# Altium PCB PCB2.PcbDoc (continued)
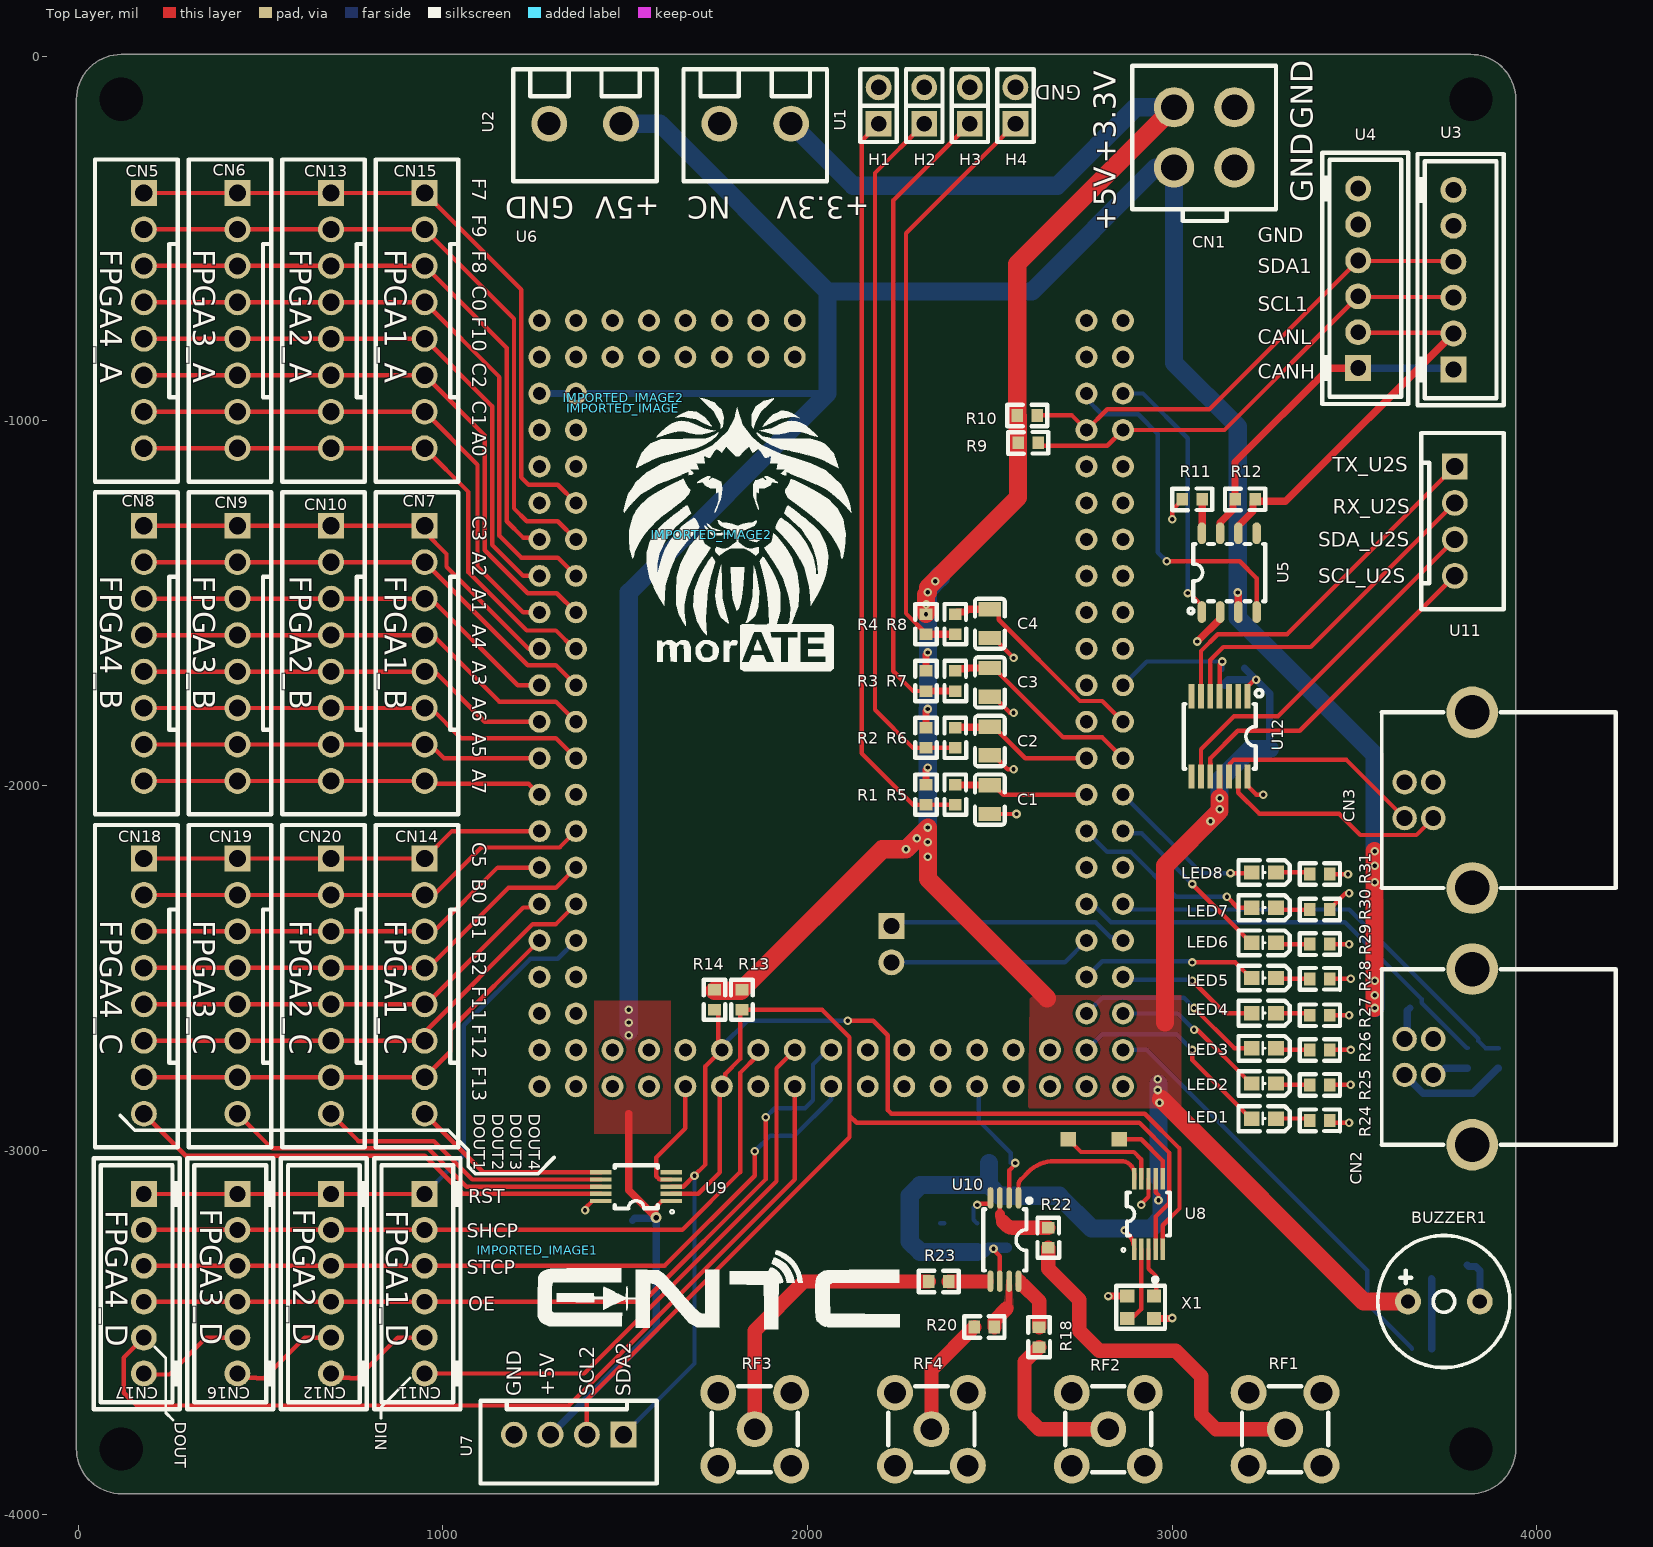
[diagram p0: Top Layer view]
## Footprints (in the part's own frame and the unit in brackets; to place one, negate y for a bottom-side part, rotate by r counter-clockwise, add the part's x,y. Pads: shape width x height; smd on the part's side, far side on the other; paste and mask are expansions set on the pad) (continued)
  body extent -125,-2225 1725,185, height 669
TSSOP-8_L4.4-W3.0-P0.65-LS6.4-BL [mm]
  oval 0.4x1.497 smd: 1(-0.975,-2.9) 2(-0.325,-2.9) 3(0.325,-2.9) 4(0.975,-2.9) 5(0.975,2.9) 6(0.325,2.9) 7(-0.325,2.9) 8(-0.975,2.9)
  silkscreen extent -1.89,-2.87 1.49,2.16, body extent -1.5,-3.2 1.5,3.2, height 1.1
TSSOP-14_L5.0-W4.4-P0.65-LS6.4-BL [mm]
  rect 0.4x1.7 smd: 1(-1.95,-2.8) 2(-1.3,-2.8) 3(-0.65,-2.8) 4(0,-2.8) 5(0.65,-2.8) 6(1.3,-2.8) 7(1.95,-2.8) 8(1.95,2.8) 9(1.3,2.8) 10(0.65,2.8) 11(0,2.8) 12(-0.65,2.8) 13(-1.3,2.8) 14(-1.95,2.8)
  silkscreen extent -3,-3.25 2.5,2.25, body extent -2.5,-3.2 2.5,3.2, height 1
USB-B_TH_BF90 [mm]
  round 1.7 hole 1.1: 1(1.25,2.355) 2(-1.25,2.355) 3(-1.25,0.355) 4(1.25,0.355)
  round 3.6 hole 2.4: 5(-6.116,-2.355) 5(6.116,-2.355)
  silkscreen extent -6.12,-12.34 6.12,3.94, body extent -7.42,-12.69 7.42,3.81, height 10.9

## Part data
BUZZER1: Manufacturer="Jiangsu Huaneng Elec", Supplier Part Number=C96102, Contributor=LCSC, Manufacture Part Number=HNB09A03, spicePre=B, spiceSymbolName=HNB09A03, Supplier=LCSC
C1 C2 C3 C4 C8 C12 C13: Manufacture Part Number=CL10A105KP8NNNC, Manufacturer=SAMSUNG, Supplier Part Number=C26413, nameAlias=Capacitance, spicePre=C, spiceSymbolName=CL10A105KP8NNNC, Supplier=LCSC
C5 C6 C7 C9 C11 C14: BOM_LCSC Assembly=Yes, Manufacture Part Number=CC0603KRX7R9BB104, Manufacturer=YAGEO, Supplier Part Number=C14663, nameAlias=Capacitance, SMT Type=Basic, spicePre=C, spiceSymbolName=CC0603KRX7R9BB104, Supplier=LCSC
C10: Manufacture Part Number=CL21B106KOQNNNE, Manufacturer=SAMSUNG, Supplier Part Number=C95841, nameAlias=Capacitance, spicePre=C, spiceSymbolName=CL21B106KOQNNNE, Supplier=LCSC
C15: Manufacture Part Number=0603B474K100, Manufacturer=WTC, Supplier Part Number=C123513, Contributor=LCSC, nameAlias=Capacitance, spicePre=C, spiceSymbolName=0603B474K100, Supplier=LCSC
CN1: Manufacturer=BOOMELE, Supplier Part Number=C24697, image=//image.lceda.cn/szlcsc/C24697.jpg, Manufacture Part Number=pitch4.2MMsocket2*2P, spicePre=C, spiceSymbolName=pitch4.2MMsocket2*2P, Supplier=LCSC
CN2 CN3: Manufacture Part Number=C46393, Manufacturer="Jing Extension of the Electronic Co.", image=//image.lceda.cn/szlcsc/C46393.jpg, spicePre=C, spiceSymbolName=USB-B-Female-TH_C46393, Supplier=LCSC, Supplier Part Number=C46393
CN5 CN6 CN7 CN8 CN9 CN10 CN13 CN14 CN15 CN18 CN19 CN20: Manufacturer="JST Sales America", Supplier Part Number=C157972, Contributor=LCSC, Manufacture Part Number="B8B-XH-A (LF)(SN)", spicePre=C, spiceSymbolName="B8B-XH-A (LF)(SN)", Supplier=LCSC
CN11 CN12 CN16 CN17 U3 U4: Manufacturer="JST Sales America", Supplier Part Number=C144397, Contributor=LCSC, Manufacture Part Number=B6B-XH-A(LF)(SN), spicePre=U, spiceSymbolName=B6B-XH-A(LF)(SN), Supplier=LCSC
D1: BOM_LCSC Assembly=Yes, Manufacturer=TOSHIBA, Supplier Part Number=C150183, Contributor=LCSC, Manufacture Part Number=CUS08F30,H3F, SMT Type=Extend, spicePre=D, spiceSymbolName=CUS08F30,H3F, Supplier=LCSC
H1 H2 H3 H4 H5: Manufacturer="CJT(Changjiang Connectors)", Supplier Part Number=C225477, Contributor=LCSC, Manufacture Part Number=A2541WV-2P, spicePre=H, spiceSymbolName=A2541WV-2P, Supplier=LCSC
LED1 LED2 LED3 LED4: BOM_LCSC Assembly=Yes, Manufacture Part Number=ORH-G36G, Manufacturer=Orient, Supplier Part Number=C205443, Contributor=LCSC, SMT Type=Extend, spicePre=L, spiceSymbolName=ORH-G36G, Supplier=LCSC
LED5 LED6: BOM_LCSC Assembly=Yes, Manufacture Part Number=19-217/R6C-AL1M2VY/3T, Manufacturer=EVERLIGHT, Supplier Part Number=C72044, image=//image.lceda.cn/szlcsc/C72044.jpg, SMT Type=Extend, spicePre=L, spiceSymbolName=19-217/R6C-AL1M2VY/3T, Supplier=LCSC
LED7 LED8: BOM_LCSC Assembly=Yes, Manufacture Part Number=ORH-R36A(0.6T), Manufacturer=Orient, Supplier Part Number=C205445, Contributor=LCSC, SMT Type=Extend, spicePre=L, spiceSymbolName=ORH-R36A(0.6T), Supplier=LCSC
Q1: BOM_LCSC Assembly=Yes, Manufacturer=ON, Supplier Part Number=C81464, Manufacture Part Number=MMBT3904LT1G, SMT Type=Extend, spicePre=Q, spiceSymbolName=MMBT3904LT1G, Supplier=LCSC
R1 R2 R3 R4 R5 R6 R7 R8 R11 R19 R32: Manufacture Part Number=RC0603FR-0710KL, Manufacturer=YAGEO, Supplier Part Number=C98220, nameAlias="Resistance (Ohms)", spicePre=R, spiceSymbolName=RC0603FR-0710KL, Supplier=LCSC
R9 R10 R13 R14: Manufacture Part Number=RC0603FR-074K7L, Manufacturer=YAGEO, Supplier Part Number=C99782, nameAlias="Resistance (Ohms)", spicePre=R, spiceSymbolName=RC0603FR-074K7L, Supplier=LCSC
R12: BOM_LCSC Assembly=Yes, Manufacture Part Number=0603WAF1000T5E, Manufacturer=UniOhm, Supplier Part Number=C22775, nameAlias="Resistance (Ohms)", SMT Type=Basic, spicePre=R, spiceSymbolName=0603WAF1000T5E, Supplier=LCSC
R15 R24 R25 R26 R27 R28 R29 R30 R31: Manufacture Part Number=RC0603FR-071KL, Manufacturer=YAGEO, Supplier Part Number=C22548, nameAlias="Resistance (Ohms)", spicePre=R, spiceSymbolName=RC0603FR-071KL, Supplier=LCSC
R16 R17: Manufacture Part Number=0603WAJ0220T5E, Manufacturer=UniOhm, Supplier Part Number=C1203, nameAlias="Resistance (Ohms)", spicePre=R, spiceSymbolName=0603WAJ0220T5E, Supplier=LCSC
R18 R20 R22 R23: Manufacture Part Number=RC0603FR-0710RL, Manufacturer=YAGEO, Supplier Part Number=C109318, nameAlias="Resistance (Ohms)", spicePre=R, spiceSymbolName=RC0603FR-0710RL, Supplier=LCSC
RF1 RF2 RF3 RF4: library part BWSMA-KE-Z001, Manufacturer="BAT WIRELESS", Supplier Part Number=C496549, Manufacture Part Number=BWSMA-KE-Z001, Supplier=LCSC
U1 U2: Manufacturer=DIBO, Supplier Part Number=C395849, Contributor=LCSC, Manufacture Part Number=DB126V-5.0-2P, spicePre=U, spiceSymbolName=DB126V-5.0-2P, Supplier=LCSC
U5: BOM_LCSC Assembly=Yes, Manufacturer=MICROCHIP, Supplier Part Number=C7376, image=//image.lceda.cn/szlcsc/C7376.jpg, Manufacture Part Number=MCP2551-I/SN, SMT Type=Extend, spicePre=U, spiceSymbolName=MCP2551-I/SN, Supplier=LCSC
U7 U11: Manufacturer="JST Sales America", Supplier Part Number=C144395, Contributor=LCSC, Manufacture Part Number=B4B-XH-A(LF)(SN), spicePre=U, spiceSymbolName=B4B-XH-A(LF)(SN), Supplier=LCSC
U8: Manufacturer="SILICON LABS", Supplier Part Number=C529366, Contributor=LCSC, Manufacture Part Number=SI5351A-B-GT, spicePre=U, spiceSymbolName=SI5351A-B-GT, Supplier=LCSC
U9: BOM_LCSC Assembly=Yes, Manufacturer="Microchip Tech", Supplier Part Number=C108207, Contributor=LCSC, Manufacture Part Number=MCP4728-E/UN, SMT Type=Extend, spicePre=U, spiceSymbolName=MCP4728-E/UN, Supplier=LCSC
U10: BOM_LCSC Assembly=Yes, Manufacturer="Texas Instruments", Supplier Part Number=C485518, Contributor=LCSC, Manufacture Part Number=CDCLVC1104PWR, SMT Type=Extend, spicePre=U, spiceSymbolName=CDCLVC1104PWR, Supplier=LCSC
U12: BOM_LCSC Assembly=Yes, Manufacturer=MICROCHIP, Supplier Part Number=C130462, Contributor=LCSC, Manufacture Part Number=MCP2221A-I/ST, SMT Type=Extend, spicePre=U, spiceSymbolName=MCP2221A-I/ST, Supplier=LCSC
X1: Manufacture Part Number=Q24FA20H00238, Manufacturer="Seiko Epson", Supplier Part Number=C255960, Contributor=LCSC, nameAlias=Frequency, spicePre=X, spiceSymbolName=Q24FA20H00238, Supplier=LCSC
U6: Contributor=FYP_Squad, spicePre=U, spiceSymbolName="STM32F103ZET Mini Dev Board"

## Free pads (board coordinates)
  round 60 hole 118.11: 2(118.11,-3818.9) 2(118.11,-118.11) 2(3818.9,-3818.9) 2(3818.9,-118.11)
  rect 43x39 smd: 3(2715,-2970) 3(2855,-2970)

## Via types
v1: diameter 23.62, hole 11.81, Top Layer to Bottom Layer, 65 vias
v2: diameter 23.62, hole 11.81, Top Layer to Bottom Layer, tented both sides, 3 vias
v3: diameter 30, hole 15, Top Layer to Bottom Layer, 1 vias

## Nets (pads, with @x,y where several pads share a name; then routed paths per layer and width w, separated by ;. In a path a pad name is that pad's centre, name@x,y a point inside that pad or via, vN(x,y) a via of type N, cw(c..) or ccw(c..) an arc to the next point about the centre after c; other vN are vias at no path point)
1_to_2: CN11.5 CN12.6 | length 308
  Top Layer w12: CN12.6 704.54,-3623.47 744.47,-3623.47 745.99,-3625 765,-3625 876.22,-3513.78 CN11.5
2_to_3: CN12.5 CN16.6 | length 308
  Top Layer w12: CN16.6 447.87,-3623.47 487.8,-3623.47 489.33,-3625 510,-3625 621.22,-3513.78 CN12.5
3_to_4: CN16.5 CN17.6 | length 299.7
  Top Layer w12: CN17.6 182.73,-3615 250,-3615 351.22,-3513.78 CN16.5
+3.3V: BUZZER1.1 C7.2 C8.2 C9.2 C10.2 C11.2 C12.2 C13.1 C14.2 C15.2 CN1.3 R1.2 R2.2 R3.2 R4.2 R9.2 R10.2 R13.2 R14.2 R19.2 R32.1 U1.1 U8.1 U8.7 U10.6 U12.1 U12.11 | length 9590.4
  Top Layer w12: v1(2510,-3270) 2510,-3273.14 2527.2,-3290.34 U10.6 ; v1(2870,-3220) 2877.34,-3227.34 cw(c2833.17,-3271.5) U8.1 ; U8.7 2954.69,-3115.11 2962.5,-3122.92 v1(2962.5,-3137.5) v1@2965,-3140 ; U12.1 3206.77,-1729.17 3223.72,-1712.22 3227.78,-1712.22 v1(3230,-1710)
  Top Layer w15: v1@3130,-2045 U12.11
  Top Layer w20: R1.2 2325,-1955.98 2329.31,-1951.67 v1(2329.31,-1950.69) ; R2.2 2325,-1795.98 2330,-1790.98 v2(2330,-1790) ; R3.2 2325,-1640.98 2330,-1635.98 v2(2330,-1635)
  Top Layer w50: R14.2@1745,-2562.44 1817.44,-2562.44 R13.2 2204.88,-2175 v1(2270,-2175) v1(2300,-2145) v1(2330,-2115) ; v1(2325,-1529.88) v2(2325,-1502.93) 2325,-1475.98 2330,-1470.98 v1(2330,-1470) 2330,-1457.5 2577.44,-1210.06 2577.44,-1067.72 2574.88,-1065.16 2574.88,-1060 2576.16,-1058.72 2576.16,-986.28 R10.2 2574.88,-570.12 CN1.3 ; v1@2330,-2116.67 v1(2330,-2155) v1(2330,-2195) 2330,-2256.47 2656.77,-2583.23 ; v1@2970,-2860 3525,-3415 BUZZER1.1 ; 2980,-2650 2980,-2220 3130,-2070 v1@3130,-2034.83
  Bottom Layer w12: C8.2 ccw(c2832.7,-3206.67) C8.2@2832.7,-3217.56
  Bottom Layer w20: C10.2 C10.2@2485,-3279.37 ; C13.1 3143.74,-1719.68 3153.43,-1710 v1(3230,-1710) ; 3198.3,-1678.3 v1(3230,-1710) ; C14.2 C15.2 3267.44,-1747.44 3230.37,-1710.37 3230,-1710.37 v1(3230,-1710) ; BUZZER1.1@3637.26,-3424.31 BUZZER1.1
  Bottom Layer w25: C8.2@2832.7,-3217.56 C7.2@2905,-3217.56 ; C9.2@2967.44,-3080.9 cw(c2975.78,-3080.9) C9.2
  Bottom Layer w30: C10.2@2485,-3279.37 2496.81,-3267.56 C11.2
  Bottom Layer w50: U1.1 2125.01,-355 2685,-355 2900,-140 CN1.3 ; v1(2270,-2175) v1(2300,-2145) v1(2330,-2115) ; v1(2330,-2195) v1(2330,-2155) v1(2330,-2115) ; 2360,-1425 2365,-1430 2330,-1465 v1(2330,-1470) v2(2330,-1635) v2(2330,-1790) 2329.65,-1790.35 2329.65,-2114.65 v1(2330,-2115) ; C10.2 C12.2 2309.29,-3279.37 2280,-3250.08 2280,-3125 2309.29,-3095.71 2497.44,-3095.71 ; R19.2@2497.44,-3035 2497.44,-3095.71 ; C9.2@2962.44,-3075 2962.44,-2817.56 ; C9.2@2970.81,-3060 2970.81,-3185.08 2941.52,-3214.37 C8.2 2779.37,-3214.37 2690,-3125 2526.73,-3125 2497.44,-3095.71 ; 3090,-2110 3130,-2070 v1(3130,-2065) v1(3130,-2035) 3130,-1985 3215,-1900 C14.2
  other v1: 2965,-2870 2960,-2835 2960,-2805 3105,-2097.5 2350,-1440
+5V: C5.2 C6.1 CN1.4 D1.1 U2.1 U5.3 U6.17 U6.18 U7.3 U9.1 | length 8981.8
  Top Layer w12: v3(1585,-3185) 1585,-3155 1600.63,-3139.37 U9.1 U9.1@1650,-3139.37
  Top Layer w20: U2.1@1488.43,-201.57 U2.1 ; 1510,-2900 1510,-3110 v3(1585,-3185) ; v1(3179.53,-1470.51) 3179.53,-1471.49 3181.5,-1473.46 U5.3
  Top Layer w50: v1(3555,-2610) v1(3555,-2575) v1(3555,-2265) v1(3555,-2220) v1(3555,-2180)
  Bottom Layer w20: U6.17 U6.18 2055,-925 ; U7.3 1585,-3490 v3(1585,-3185) ; C6.1 1525.64,-3186.91 v3@1583.09,-3186.91
  Bottom Layer w50: U2.1 1595,-185 2055,-645 ; v1@1510,-2675 v1(1510,-2650) v1(1510,-2615) 1510,-1470 2055,-925 2055,-645 ; v1@3180,-1470.51 3180,-1540 ; 3555,-2305 v1(3555,-2265) v1(3555,-2220) v1(3555,-2180) 3555,-1915 3180,-1540 ; D1.1 3557.76,-2517.76 ; 2055,-645 2615,-645 2954.6,-305.4 CN1.4 3005,-840.85 3180,-1015.85 3180,-1420 3180,-1540
  other v1: 1510,-2685 3555,-2535
A0: CN5.8 CN6.8 CN13.8 CN15.8 U6.32 | length 1541.7
  Top Layer w12: CN5.8 CN6.8 CN13.8 CN15.8 1070,-1195 1070,-1415 1230,-1575 1310,-1575 1360,-1625 U6.32
A1: CN7.3 CN8.3 CN9.3 CN10.3 U6.33 | length 1183.4
  Top Layer w12: CN8.3 CN9.3 CN10.3 CN7.3 967.5,-1487.5 1205,-1725 U6.33
A2: CN7.2 CN8.2 CN9.2 CN10.2 U6.34 | length 1324.8
  Top Layer w12: CN8.2 CN9.2 CN10.2 CN7.2 1232.5,-1670 1310,-1670 U6.34
A3: CN7.5 CN8.5 CN9.5 CN10.5 U6.35 | length 1142
  Top Layer w12: CN8.5 CN9.5 CN10.5 CN7.5 977.5,-1687.5 1115,-1825 U6.35
A4: CN7.4 CN8.4 CN9.4 CN10.4 U6.36 | length 1283.4
  Top Layer w12: CN8.4 CN9.4 CN10.4 CN7.4 972.5,-1587.5 1155,-1770 1310,-1770 U6.36
A5: CN7.7 CN8.7 CN9.7 CN10.7 U6.37 | length 1100.5
  Top Layer w12: CN8.7 CN9.7 CN10.7 CN7.7 965.46,-1887.5 1002.96,-1925 U6.37
A6: CN7.6 CN8.6 CN9.6 CN10.6 U6.38 | length 1242
  Top Layer w12: CN8.6 CN9.6 CN10.6 CN7.6 967.5,-1787.5 1050,-1870 1310,-1870 U6.38
A7: CN7.8 CN8.8 CN9.8 CN10.8 U6.39 | length 1100.5
  Top Layer w12: CN8.8 CN9.8 CN10.8 CN7.8 957.5,-1995 1235,-1995 U6.39
B0: CN14.2 CN18.2 CN19.2 CN20.2 U6.42 | length 1257.5
  Top Layer w12: CN18.2 CN19.2 CN20.2 CN14.2 975,-2300 1105,-2170 1320,-2170 U6.42
B1: CN14.3 CN18.3 CN19.3 CN20.3 U6.43 | length 1157.5
  Top Layer w12: CN18.3 CN19.3 CN20.3 CN14.3 975,-2400 1150,-2225 U6.43
B2: CN14.4 CN18.4 CN19.4 CN20.4 U6.44 | length 1298.9
  Top Layer w12: CN18.4 CN19.4 CN20.4 CN14.4 960,-2500 1180,-2280 1310,-2280 U6.44
BUZZER: R15.1 U6.85 | length 1186.3
  Bottom Layer w12: U6.85 2930,-2725 3535,-3330 3535,-3420.58 3657.44,-3543.03 R15.1
C0: CN5.4 CN6.4 CN13.4 CN15.4 U6.28 | length 1750.5
  Top Layer w12: CN5.4 CN6.4 CN13.4 CN15.4 1155,-880 1155,-1315 1215,-1375 1315,-1375 U6.28
C1: CN5.7 CN6.7 CN13.7 CN15.7 U6.29 | length 1476.8
  Top Layer w12: CN5.7 CN6.7 CN13.7 CN15.7 1095,-1120 1095,-1400 1220,-1525 U6.29
C2: CN5.6 CN6.6 CN13.6 CN15.6 U6.30 | length 1638.8
  Top Layer w12: CN5.6 CN6.6 CN13.6 CN15.6 1115,-1040 1115,-1355 1232.5,-1472.5 1312.5,-1472.5 U6.30
C3: CN7.1 CN8.1 CN9.1 CN10.1 U6.31 | length 1255.6
  Top Layer w12: CN8.1 CN9.1 CN10.1 CN7.1 950,-1305 1010,-1365 1010,-1400 1235,-1625 U6.31
C5: CN14.1 CN18.1 CN19.1 CN20.1 U6.41 | length 1116.1
  Top Layer w12: CN18.1 CN19.1 CN20.1 CN14.1 1025,-2125 U6.41
CANH: R12.2 U3.1 U4.1 U5.7 | length 917.9
  Top Layer w20: U5.7 3131.5,-1278.5 3166.69,-1243.31 3166.69,-1220.75 R12.2 3172.44,-1112.92 3430,-855.36 U4.1 ; U3.1@3761.52,-855.36 U3.1@3764.94,-858.78
  Bottom Layer w20: U4.1 3761.52,-855.36 U3.1@3764.94,-858.78
CANL: R12.1 U3.2 U4.2 U5.6 | length 1110.2
  Top Layer w12: U4.2 3511.71,-758.56 3769.39,-758.56 U3.2
  Top Layer w20: U5.6 3181.5,-1288.5 3221.81,-1248.19 3221.81,-1222.72 R12.1@3223.99,-1220.53 ; R12.1 3227.56,-1216.97 R12.1@3223.99,-1220.53 ; U3.2@3765,-760.27 3765,-766.37 3310.83,-1220.53 R12.1@3223.99,-1220.53
CANRX: U5.1 U6.121 | length 724.1
  Top Layer w12: v1(3042.44,-1472.22) 3047.65,-1472.22 3081.5,-1506.07 U5.1
  Bottom Layer w12: U6.121 2920,-925 3042.44,-1047.44 v1(3042.44,-1472.22)
CANTX: U5.4 U6.122 | length 968.1
  Top Layer w12: v1(2985,-1385) 3185,-1385 3231.5,-1431.5 U5.4
  Bottom Layer w12: U6.122 2765,-940 2807,-982 2907,-982 2960,-1035 2960,-1360 v1(2985,-1385)
CLK0: U8.10 U10.1 | length 413
  Top Layer w12: U10.1 2578.4,-3095.93 cw(c2600.93,-3095.93) 2584.99,-3080.01 2605.71,-3059.29 cw(c2676.42,-3130) 2676.42,-3030 2860.86,-3030 cw(c2860.86,-3064.14) 2885,-3040 cw(c2859.34,-3065.66) 2895.63,-3065.66 U8.10
CLK1: pad.3@2715,-2970 U8.9 | length 276.5
  Top Layer w12: pad.3@2715,-2970 2750,-3005 2895,-3005 ; 2895.03,-3004.97 2915.32,-3025.26 U8.9
CLK2: pad.3@2855,-2970 U8.6 | length 173.1
  Top Layer w12: pad.3@2875,-2970 2915,-2970 2974.37,-3029.37 U8.6
CLK_0: R22.2 RF1.5 | length 1000.4
  Top Layer w39.37: R22.2 2660,-3325 2745,-3410 2745,-3495 2800,-3550 3010,-3550 3080,-3620 3080,-3725 3120,-3765 RF1.5
CLK_1: R18.2 RF2.5 | length 447.6
  Top Layer w39.37: R18.2 2595,-3580.12 2595,-3725 2635,-3765 RF2.5
CLK_2: R23.1 RF3.5 | length 803.4
  Top Layer w39.37: RF3.5 1855,-3495 1990,-3360 R23.1
CLK_3: R20.2 RF4.5 | length 328.7
  Top Layer w39.37: RF4.5 2339.79,-3602.65 R20.2
CLKBUF_EN: R19.1 U6.77 U10.2 | length 351.3
  Top Layer w12: U10.2 2552.8,-3055.34 2570,-3038.14 v1(2570,-3035)
  Bottom Layer w12: U6.77 2470,-2830 2470,-2920 2557.56,-3007.56 R19.1
DAC_OUT1: CN18.8 U9.9 | length 1344.5
  Top Layer w12: CN18.8 295,-3015 950,-3015 1054.68,-3119.68 U9.9
DAC_OUT2: CN19.8 U9.8 | length 1079.7
  Top Layer w12: CN19.8 531.67,-2995 960,-2995 1065,-3100 U9.8
DAC_OUT3: CN20.8 U9.7 | length 814.9
  Top Layer w12: CN20.8 768.33,-2975 975,-2975 1080.31,-3080.31 U9.7
DAC_OUT4: CN14.8 U9.6 | length 550
  Top Layer w12: CN14.8 1110.63,-3060.63 U9.6
DIN: CN11.6 U6.68 | length 1564.1
  Top Layer w12: CN11.6 1387.79,-3612.21 1915,-3085 1915,-2775 U6.68
DOUT: CN17.5 U6.67 | length 2537.6
  Top Layer w12: CN17.5 125,-3568.72 125,-3665 160,-3700 1345,-3700 1965,-3080 1965,-2834.18 U6.67@1960.41,-2829.59
F7: CN5.1 CN6.1 CN13.1 CN15.1 U6.24 | length 1838.8
  Top Layer w12: CN5.1 CN6.1 CN13.1 CN15.1 1215,-640 1215,-1155 1235,-1175 1315,-1175 U6.24
F8: CN5.3 CN6.3 CN13.3 CN15.3 U6.25 | length 1673.9
  Top Layer w12: CN5.3 CN6.3 CN13.3 CN15.3 1175,-800 1175,-1275 1220,-1320 1260,-1320 U6.25
F9: CN5.2 CN6.2 CN13.2 CN15.2 U6.26 | length 1841.7
  Top Layer w12: CN5.2 CN6.2 CN13.2 CN15.2 1195,-720 1195,-1240 1230,-1275 1315,-1275 U6.26
F10: CN5.5 CN6.5 CN13.5 CN15.5 U6.27 | length 1576.8
  Top Layer w12: CN5.5 CN6.5 CN13.5 CN15.5 1135,-960 1135,-1340 1220,-1425 U6.27
F11: CN14.5 CN18.5 CN19.5 CN20.5 U6.45 | length 1198.9
  Top Layer w12: CN18.5 CN19.5 CN20.5 CN14.5 954.64,-2600 1220.08,-2334.57 1255.43,-2334.57 U6.45
F12: CN14.6 CN18.6 CN19.6 CN20.6 U6.46 | length 1354.2
  Top Layer w12: CN18.6 CN19.6 CN20.6 CN14.6 950,-2676.36 1246.36,-2380 1310,-2380 U6.46
F13: CN14.7 CN18.7 CN19.7 CN20.7 U6.47 | length 1275.5
  Top Layer w12: CN18.7 CN19.7 CN20.7 CN14.7 1020,-2730 1020,-2670 U6.47
GND: C1.1 C2.1 C3.1 C4.1 C5.1 C6.2 C7.1 C8.1 C9.1 C10.1 C11.1 C12.1 C13.2 C14.1 C15.1 CN1.1 CN1.2 CN2.4 CN3.4 H1.2 H2.2 H3.2 H4.2 Q1.2 R11.2 R24.2 R25.2 R26.2 R27.2 R28.2 R29.2 R30.2 R31.2 RF1.1 RF1.2 RF1.3 RF1.4 RF2.1 RF2.2 RF2.3 RF2.4 RF3.1 RF3.2 RF3.3 RF3.4 RF4.1 RF4.2 RF4.3 RF4.4 U2.2 U3.5 U4.5 U5.2 U6.13 U6.14 U6.55 U6.56 U6.83 U6.84 U6.125 U6.126 U7.4 U8.8 U9.10 U10.4 U12.14 X1.2 X1.4 | length 1398.9
  Top Layer w12: v1(1390,-3165) 1390,-3159.34 1409.97,-3139.37 U9.10 ; v1(2465,-3150) 2468.52,-3146.48 2501.6,-3146.48 U10.4 ; C1.1 v1(2573.11,-2078.11) ; C2.1 2510.83,-1917.26 2548.57,-1955 v1(2565,-1955) ; C3.1 2510.83,-1756.41 2554.42,-1800 v1(2565,-1800) ; C4.1 2510.83,-1595.56 2565,-1649.73 v1(2565,-1650) ; v1(2915,-3150) 2915,-3147.84 2935,-3127.84 U8.8 ; v1(3000,-1270) 3000,-1244.41 3027.44,-1216.97 R11.2 ; U12.14 3206.77,-2000.83 3230.94,-2025 v1(3250,-2025) ; R24.2 3430.54,-2920 3435.54,-2925 v1(3485,-2925) ; R25.2 v1(3489.17,-2820.83) ; R26.2 v1(3490,-2725) ; R27.2 v1(3485,-2630) ; R28.2 v1(3490,-2530) ; R29.2 v1(3485,-2435) ; R30.2 3432.56,-2338.15 3475.71,-2295 v1(3485,-2295) ; R31.2 v1(3482.02,-2242.98)
  Top Layer w20: v1(2825,-3400) X1.2 ; X1.4 2998.58,-3461.42 v1(3000,-3460) ; v1(3068.7,-1605) 3131.5,-1542.2 U5.2
  Bottom Layer w12: C12.1@2364.17,-3200.63 C12.1 ; C10.1 2455,-3190.63 2455,-3157.03 2462.03,-3150 v1(2465,-3150)
LDAC: U6.61 U9.4 | length 324.9
  Top Layer w12: U9.4 1593.68,-3080.31 1584.97,-3071.6 1584.97,-3020.03 1665,-2940 U6.61
LED1: LED1.1 U6.86 | length 582.7
  Top Layer w12: v1(3055,-2725) 3055,-2752.74 3215.76,-2913.5 LED1.1
  Bottom Layer w12: U6.86 2808,-2682 3012,-2682 v1(3055,-2725)
LED2: LED2.1 U6.87 | length 432.3
  Top Layer w12: v1(3060,-2670) 3068.68,-2670 3215.76,-2817.08 LED2.1
  Bottom Layer w12: U6.87 3015,-2625 v1(3060,-2670)
LED3: LED3.1 U6.88 | length 528
  Top Layer w12: v1(3060,-2610) 3170.65,-2720.65 LED3.1
  Bottom Layer w12: U6.88 2808,-2582 3032,-2582 v1(3060,-2610)
LED4: LED4.1 U6.89 | length 393.9
  Top Layer w12: v1(3055,-2535) 3144.22,-2624.22 LED4.1
  Bottom Layer w12: U6.89 2872.78,-2532.78 3052.78,-2532.78 v1(3055,-2535)
LED5: LED5.1 U6.90 | length 489.5
  Top Layer w12: v1(3055,-2485) 3172.97,-2485 3215.76,-2527.79 LED5.1
  Bottom Layer w12: U6.90 2808,-2482 3048.86,-2482 3051.86,-2485 v1(3055,-2485)
LED6: LED6.1 U6.97 | length 488.6
  Top Layer w12: v1(3055,-2270) 3055,-2270.6 3215.76,-2431.36 LED6.1 LED6.1@3217.76,-2422.76
  Bottom Layer w12: U6.97 2871.14,-2131.14 2916.14,-2131.14 v1(3055,-2270)
LED7: LED7.1 U6.98 | length 539.7
  Top Layer w12: v1(3150,-2305) 3179.93,-2334.93 LED7.1
  Bottom Layer w12: U6.98 2822,-2182 2887,-2182 3010,-2305 v1(3150,-2305)
LED8: LED8.1 U6.99 | length 442.4
  Top Layer w12: v1(3160,-2240) 3216.26,-2240 LED8.1
  Bottom Layer w12: U6.99 3080,-2240 v1(3160,-2240)
NetBUZZER1_2: BUZZER1.2 Q1.3 | length 409
  Bottom Layer w20: Q1.3 3812.98,-3318.78 3832.06,-3318.78 3843.78,-3330.5 ; BUZZER1.2@3835,-3392.82 3843.42,-3401.24 BUZZER1.2 3843.78,-3414.64 3843.78,-3330.5 ; BUZZER1.2@3843.78,-3401.24 3843.78,-3330.5 ; BUZZER1.2@3843.78,-3392.82 3843.78,-3330.5 ; BUZZER1.2@3843.78,-3392.82 3843.78,-3330.5 ; BUZZER1.2@3843.78,-3392.82 3843.78,-3330.5
NetCN2_1: CN2.1 D1.2 | length 91.2
  Bottom Layer w20: CN2.1 3644.76,-2687.52 3644.76,-2617.48 D1.2
NetCN2_2: CN2.2 R16.1 | length 307.1
  Bottom Layer w20: CN2.2 3687.74,-2843.89 3824.25,-2843.89 3893.03,-2775.12 R16.1
NetCN2_3: CN2.3 R17.2 | length 114.6
  Bottom Layer w12: CN2.3 CN2.3@3725.23,-2784.21
  Bottom Layer w20: CN2.3 3728.72,-2793.43 3747.14,-2775 R17.2
NetH1_1: H1.1 R1.1 R5.2 | length 2060.4
  Top Layer w12: H1.1 2148.6,-231.79 2148.6,-1911.87 2289.28,-2052.56 R1.1 R5.2
NetH2_1: H2.1 R2.1 R6.2 | length 1926.1
  Top Layer w12: H2.1 2185,-320.39 2185,-1792.42 2289.28,-1896.7 R2.1 R6.2
NetH3_1: H3.1 R3.1 R7.2 | length 1780.7
  Top Layer w12: R3.1 2289.28,-1740.85 2235,-1686.57 2235,-395.39 H3.1
  Top Layer w20: R3.1 R7.2
NetH4_1: H4.1 R4.1 R8.2 | length 1629.4
  Top Layer w12: R4.1 2326.97,-1585 2270,-1528.03 2270,-485.39 H4.1
  Top Layer w20: R4.1 R8.2
NetLED1_2: LED1.2 R24.1 | length 92.9
  Top Layer w12: LED1.2 3285.29,-2912.98 R24.1@3377.44,-2912.98
NetLED2_2: LED2.2 R25.1 | length 94.2
  Top Layer w12: LED2.2 3288.52,-2820.83 R25.1
NetLED3_2: LED3.2 R26.1 | length 94.5
  Top Layer w12: LED3.2 3289.11,-2725 R26.1
NetLED4_2: LED4.2 R27.1 | length 95.1
  Top Layer w12: LED4.2 R27.1@3371.66,-2624.22 ; R27.1@3363.84,-2624.22 R27.1@3369.62,-2630
NetLED5_2: LED5.2 R28.1 | length 93.6
  Top Layer w12: LED5.2 3286.97,-2530 R28.1
NetLED6_2: LED6.2 R29.1 | length 94.2
  Top Layer w12: LED6.2 3288.4,-2435 R29.1
NetLED7_2: LED7.2 R30.1 | length 94.8
  Top Layer w12: LED7.2 3289.95,-2340.12 R30.1
NetLED8_2: LED8.2 R31.1 | length 92.9
  Top Layer w12: LED8.2 3285.29,-2237.98 R31.1@3377.44,-2237.98
NetQ1_1: Q1.1 R15.2 | length 193.3
  Bottom Layer w20: Q1.1 3711.68,-3353.28 3711.68,-3544.12 R15.2
NetR11_1: R11.1 U5.8 | length 93.8
  Top Layer w20: U5.8 3082.02,-1307.86 3082.02,-1222.72 3082.56,-1222.18 R11.1
NetR18_1: R18.1 U10.8 | length 162.8
  Top Layer w19.68: U10.8@2580,-3345 2590,-3355 2590,-3368.74
  Top Layer w39.37: 2590,-3368.74 2635,-3413.74 R18.1
NetR20_1: R20.1 U10.7 | length 142.5
  Top Layer w16.54: 2545,-3435 2552.8,-3427.2 U10.7
  Top Layer w39.37: R20.1 2512.56,-3467.44 2545,-3435
NetR22_1: R22.1 U10.3 | length 197.3
  Top Layer w12: 2527.2,-3175 U10.3
  Top Layer w27.56: 2527.2,-3175 ccw(c2556.65,-3175) 2535.83,-3195.83
  Top Layer w39.37: 2535.83,-3195.83 2545,-3205 ccw(c2562.97,-3187.03) 2562.97,-3212.44 R22.1
NetR23_2: R23.2 U10.5 | length 106.7
  Top Layer w12: U10.5@2500,-3363.04 cw(c2505.46,-3363.04) U10.5
  Top Layer w39.37: R23.2 2490,-3360
OE: CN11.4 CN12.4 CN16.4 CN17.4 U6.70 | length 2328
  Top Layer w12: CN17.4 CN16.4 CN12.4 CN11.4 1549.64,-3415.36 1885,-3080 v1(1885,-2910)
  Bottom Layer w12: v1(1885,-2910) 1910,-2885 1992.97,-2885 2015,-2862.97 2015,-2765 2055,-2725 U6.70
RESET1: R32.2 U6.105 U12.4 | length 447.4
  Top Layer w12: U12.4 3130,-1667.44 v1(3137.44,-1660)
  Bottom Layer w12: U6.105 2930,-1660 R32.2@3132.22,-1660 ; R32.2@3132.22,-1660 v1(3137.44,-1660) 3137.44,-1682.49 3132.22,-1682.49 R32.2@3132.22,-1660
RST: CN11.1 CN12.1 CN16.1 CN17.1 U6.48 | length 1680.8
  Top Layer w12: CN17.1 CN16.1 CN12.1 CN11.1
  Bottom Layer w12: CN11.1 1057.39,-3012.61 1057.39,-2657.61 1240,-2475 1315,-2475 U6.48
RX_U2S: U11.2 U12.5 | length 948.1
  Top Layer w12: U12.5 3104.41,-1655.59 3140,-1620 3380,-1620 U11.2
SCL1: R9.1 U3.3 U4.3 U6.119 | length 1312.9
  Top Layer w12: R9.1 2640.56,-1068 2822,-1068 U6.119 3143.43,-1025 U4.3 3511.71,-660.14 3769.39,-660.14 U3.3
SCL2: R13.1 U6.63 U7.2 U8.4 U9.2 | length 3541.9
  Top Layer w12: U7.2 1395,-3684.54 2115,-2964.54 2115,-2905 ; U9.2 1700.32,-3119.68 1759.2,-3060.8 1759.2,-2830.8 U6.63 1774.18,-2815.82 1774.18,-2790.82 1815,-2750 1815,-2620 R13.1 2040,-2615 2115,-2690 2115,-2905 ; U8.4 2954.69,-3181.93 2992.37,-3144.25 2992.37,-3007.37 2910,-2925 2135,-2925 2115,-2905
SCL_U2S: U11.4 U12.10 | length 956.7
  Top Layer w12: 3106.28,-1940.64 3106.28,-1973.36 U12.10 3104.41,-1925.59 3180,-1850 3350,-1850 3760,-1440 U11.4@3760,-1425
SDA1: R10.1 U3.4 U4.4 U6.120 | length 1351.7
  Top Layer w12: R10.1 2725,-985 U6.120 2822,-968 3102,-968 U4.4 3511.71,-561.71 3769.39,-561.71 U3.4
SDA2: R14.1 U6.64 U7.1 U8.5 U9.3 | length 3221.5
  Top Layer w12: U9.3 1659.31,-3100 v1@1689.65,-3069.65 ; v1(1690,-3070) v1@1689.65,-3069.65 ; R14.1 1755,-2615 1755,-2715 U6.64 1720,-2770 1720,-3039.31 v1@1689.65,-3069.65 ; v1(2110,-2645) 2180,-2645 2220,-2685 2220,-2890 2230,-2900 2925,-2900 3020.03,-2995.03 3020.03,-3159.97 2974.37,-3205.63 U8.5
  Bottom Layer w12: U7.1 1690,-3585 v1(1690,-3070) ; U6.64 1765,-2715 1835,-2645 v1(2110,-2645)
SDA_U2S: U11.3 U12.9 | length 1021.5
  Top Layer w12: U12.9 3078.82,-1900.73 3169.54,-1810 3290,-1810 3755.77,-1344.23 3755.77,-1325.77 3755,-1325 U11.3
SHCP: CN11.2 CN12.2 CN16.2 CN17.2 U6.66 | length 2056.4
  Top Layer w12: CN17.2 CN16.2 CN12.2 CN11.2 1656.49,-3218.51 1815,-3060 1815,-2787.99 1865,-2737.99 U6.66
SPI3_CLK: U6.116
SPI3_MISO: U6.117
SPI3_MOSI: U6.118
STCP: CN11.3 CN12.3 CN16.3 CN17.3 U6.69 | length 2148.5
  Top Layer w12: CN17.3 CN16.3 CN12.3 CN11.3 1608.07,-3316.93 1855,-3070 v1(1855,-3003.16)
  Bottom Layer w12: v1(1855,-3003.16) 1898.16,-2960 1965,-2960 2065,-2860 U6.69
SW1: C1.2 R5.1 U6.100 | length 371.4
  Top Layer w12: C1.2 2510.83,-1999.37 2536.45,-2025 U6.100
  Top Layer w20: R5.1 2405.97,-1998.41 2499.04,-1998.41 C1.2
SW2: C2.2 R6.1 U6.102 | length 397.1
  Top Layer w12: C2.2 2510.83,-1838.52 2597.31,-1925 U6.102
  Top Layer w20: R6.1 2406.53,-1840.06 2498.46,-1840.06 C2.2
SW3: C3.2 R7.1 U6.101 | length 565.8
  Top Layer w12: C3.2 2510.83,-1677.67 2701.16,-1868 2808,-1868 U6.101
  Top Layer w20: R7.1 2410.74,-1679.99 2437.16,-1679.99 2439.49,-1677.67 C3.2
SW4: C4.2 R8.1 U6.103 | length 601.8
  Top Layer w12: C4.2 2510.83,-1516.82 2524.51,-1530.5 2524.51,-1545.32 2747.19,-1768 2808,-1768 U6.103
  Top Layer w20: R8.1 2410.74,-1524.14 2432.16,-1524.14 2439.49,-1516.82 C4.2
TX_U2S: U11.1 U12.6 | length 1029.4
  Top Layer w12: U12.6 3078.82,-1631.18 3125,-1585 3315,-1585 U11.1
U2S_D+: CN3.3 U12.13 | length 646.6
  Top Layer w12: U12.13 3181.18,-2019.67 3239.18,-2077.68 3457.7,-2077.68 3515.7,-2135.68 3669.56,-2135.68 CN3.3
U2S_D-: CN3.2 U12.12 | length 585
  Top Layer w12: U12.12@3157.46,-1975.24 3157.46,-1940.64 3168.34,-1929.77 3477.84,-1929.77 CN3.2
UART1_RX: H5.2 U6.92 | length 559.9
  Bottom Layer w12: H5.2 2705,-2485 U6.92
UART1_TX: H5.1 U6.91 | length 659.9
  Bottom Layer w12: H5.1 2240,-2375 2790,-2375 2830.82,-2415.82 2855.82,-2415.82 U6.91
USB_D+: R17.1 U6.94 | length 1214.7
  Bottom Layer w12: U6.94 2782.3,-2325 2832.3,-2375 3473.58,-2375 3683.93,-2585.34 3683.93,-2595.78 3808.03,-2719.88 R17.1
USB_D-: R16.2 U6.93 | length 1197.2
  Bottom Layer w12: U6.93 2880,-2340 3485.46,-2340 3839.72,-2694.26 3839.72,-2700.43 3859.28,-2720 R16.2
XA: U8.2 X1.3 | length 208.6
  Top Layer w12: X1.3@2883.39,-3465.71 2885.35,-3465.71 2915.32,-3435.74 U8.2
XB: U8.3 X1.1 | length 141.7
  Top Layer w12: U8.3 2935,-3325 2956.61,-3346.61 X1.1@2956.61,-3404.29
pads on no net: CN2.5 CN3.1 CN3.5 U1.2 U3.6 U4.6 U5.5 U6.1 U6.2 U6.3 U6.4 U6.5 U6.6 U6.7 U6.8 U6.9 U6.10 U6.11 U6.12 U6.15 U6.16 U6.19 U6.20 U6.21 U6.22 U6.23 U6.40 U6.49 U6.50 U6.51 U6.52 U6.53 U6.54 U6.57 U6.58 U6.59 U6.60 U6.62 U6.65 U6.71 U6.72 U6.73 U6.74 U6.75 U6.76 U6.78 U6.79 U6.80 U6.81 U6.82 U6.95 U6.96 U6.104 U6.106 U6.107 U6.108 U6.109 U6.110 U6.111 U6.112 U6.113 U6.114 U6.115 U6.123 U6.124 U9.5 U12.2 U12.3 U12.7 U12.8

## Polygon pours and split planes (outlines as drawn)
NetR20_1 on Top Layer "NETR20_1_L01_P008" (solid, pour order 8): 2545,-3360 2541.22,-3405.4 2535.95,-3425.32 2565,-3435 2560,-3360
+5V on Top Layer "Top Layer-+5V" (solid, pour order 2): 1414.93,-2590 1625,-2590 1625,-2955 1610,-2955 1605,-2955 1414.93,-2955
+3.3V on Top Layer "+3.3V_L01_P000" (solid, pour order 0): 2610,-2585 2620,-2575 3025,-2575 3025,-2880 3030,-2885 2605,-2885
GND on Bottom Layer "Bottom Layer-GND" (solid, pour order 4): 1050,-20 3850,-20 3850,-30 3925,-105 3925,-3835 3915,-3835 3835,-3910 1050,-3910

## Silkscreen, mask and mechanical layers (free items; w line width, h text height)
Top Overlay:
  lines w8: 210,-3540 240,-3570 240,-3577.5 ; 240,-3575 240,-3580 240,-3720 260,-3740 ; 830,-3735 830,-3705 910,-3625
  lines w10: 115,-2905 155,-2945 1015,-2945 1070,-3000 1070,-3045 1090,-3065 1260,-3065 1305,-3020
  text "GND" at 2750,-80 h40 r180
  text "GND" at 3385,-200 h60 r90
  text "+3.3V" at 2845,-295 h60 r90
  text "F7" at 1080,-335 h38 r270
  text "GND" at 1360,-385 h60 r180
  text "+5V" at 1595,-385 h60 r180
  text "NC" at 1790,-385 h60 r180
  text "+3.3V" at 2170,-385 h60 r180
  text "GND" at 3385,-400 h60 r90
  text "F9" at 1080,-434.29 h38 r270
  text "+5V" at 2845,-480 h60 r90
  text "GND" at 3235,-510 h40
  text "FPGA4_A" at 60,-530 h60 r270
  text "FPGA3_A" at 315,-530 h60 r270
  text "FPGA2_A" at 580,-530 h60 r270
  text "FPGA1_A" at 840,-530 h60 r270
  text "F8" at 1080,-533.57 h38 r270
  text "SDA1" at 3235,-595 h40
  text "C0" at 1080,-630 h38 r270
  text "SCL1" at 3235,-700 h40
  text "F10" at 1080,-715 h38 r270
  text "CANL" at 3235,-790 h40
  text "C2" at 1080,-840 h38 r270
  text "CANH" at 3235,-885 h40
  text "C1" at 1080,-945 h38 r270
  text "A0" at 1080,-1030 h38 r270
  text "TX_U2S" at 3439.99,-1140 h40
  text "RX_U2S" at 3439.99,-1255 h40
  text "C3" at 1080,-1260 h38 r270
  text "SDA_U2S" at 3400,-1345 h40
  text "A2" at 1080,-1359.29 h38 r270
  text "FPGA4_B" at 60,-1425 h60 r270
  text "FPGA3_B" at 315,-1425 h60 r270
  text "FPGA2_B" at 580,-1425 h60 r270
  text "FPGA1_B" at 840,-1425 h60 r270
  text "SCL_U2S" at 3400,-1445 h40
  text "A1" at 1080,-1458.57 h38 r270
  text "A4" at 1080,-1557.86 h38 r270
  text "A3" at 1080,-1657.14 h38 r270
  text "A6" at 1080,-1756.43 h38 r270
  text "A5" at 1080,-1855.71 h38 r270
  text "A7" at 1080,-1955 h38 r270
  text "C5" at 1080,-2155 h38 r270
  text "B0" at 1080,-2255 h38 r270
  text "B1" at 1080,-2355 h38 r270
  text "FPGA4_C" at 60,-2370 h60 r270
  text "FPGA3_C" at 315,-2370 h60 r270
  text "FPGA2_C" at 580,-2370 h60 r270
  text "FPGA1_C" at 840,-2370 h60 r270
  text "B2" at 1080,-2455 h38 r270
  text "F11" at 1080,-2550 h38 r270
  text "F12" at 1080,-2655 h38 r270
  text "F13" at 1080,-2770 h38 r270
  text "DOUT1" at 1085,-2900 h32 r270
  text "DOUT2" at 1135,-2900 h32 r270
  text "DOUT3" at 1185,-2900 h32 r270
  text "DOUT4" at 1235,-2900 h32 r270
  text "RST" at 1070,-3145 h38
  text "FPGA3_D" at 335,-3160 h60 r270
  text "FPGA2_D" at 590,-3160 h60 r270
  text "FPGA4_D" at 75,-3165 h60 r270
  text "FPGA1_D" at 845,-3165 h60 r270
  text "SHCP" at 1065,-3240 h38
  text "STCP" at 1065,-3340 h38
  text "OE" at 1070,-3440 h38
  text "GND" at 1215,-3675 h40 r90
  text "+5V" at 1305,-3675 h40 r90
  text "SCL2" at 1415,-3675 h40 r90
  text "SDA2" at 1515,-3675 h40 r90
  text "DOUT" at 265,-3745 h32 r270
  text "DIN" at 815,-3745 h32 r270
Bottom Overlay:
  text "GND" at 2645,-85 h40 r180
  text "GND" at 3320,-200 h60 r270
  text "+3.3V" at 2790,-290 h60 r270
  text "F7" at 1115,-340 h38 r90
  text "GND" at 1300,-340 h60
  text "+5V" at 1535,-340 h60
  text "NC" at 1730,-340 h60
  text "+3.3V" at 2110,-340 h60
  text "GND" at 3320,-400 h60 r270
  text "F9" at 1115,-439.29 h38 r90
  text "+5V" at 2790,-475 h60 r270
  text "GND" at 3420,-500 h40
  text "FPGA4_A" at 120,-530 h60 r90
  text "FPGA3_A" at 375,-530 h60 r90
  text "FPGA2_A" at 640,-530 h60 r90
  text "FPGA1_A" at 900,-530 h60 r90
  text "F8" at 1115,-538.57 h38 r90
  text "SDA1" at 3420,-585 h40
  text "C0" at 1115,-635 h38 r90
  text "SCL1" at 3420,-690 h40
  text "F10" at 1115,-720 h38 r90
  text "CANL" at 3420,-780 h40
  text "C2" at 1115,-845 h38 r90
  text "CANH" at 3420,-875 h40
  text "C1" at 1115,-950 h38 r90
  text "A0" at 1115,-1035 h38 r90
  text "TX_U2S" at 3650.01,-1145 h40
  text "RX_U2S" at 3650.01,-1260 h40
  text "C3" at 1115,-1270 h38 r90
  text "SDA_U2S" at 3690,-1350 h40
  text "A2" at 1115,-1369.29 h38 r90
  text "FPGA4_B" at 120,-1425 h60 r90
  text "FPGA3_B" at 375,-1425 h60 r90
  text "FPGA2_B" at 640,-1425 h60 r90
  text "FPGA1_B" at 900,-1425 h60 r90
  text "SCL_U2S" at 3690,-1450 h40
  text "A1" at 1115,-1468.57 h38 r90
  text "A4" at 1115,-1567.86 h38 r90
  text "A3" at 1115,-1667.14 h38 r90
  text "A6" at 1115,-1766.43 h38 r90
  text "A5" at 1115,-1865.71 h38 r90
  text "A7" at 1115,-1965 h38 r90
  text "C5" at 1115,-2155 h38 r90
  text "B0" at 1115,-2255 h38 r90
  text "B1" at 1115,-2355 h38 r90
  text "FPGA4_C" at 120,-2370 h60 r90
  text "FPGA3_C" at 375,-2370 h60 r90
  text "FPGA2_C" at 640,-2370 h60 r90
  text "FPGA1_C" at 900,-2370 h60 r90
  text "UART1TX" at 2140,-2400 h38
  text "B2" at 1115,-2455 h38 r90
  text "UART1RX" at 2140,-2510 h38
  text "F11" at 1115,-2550 h38 r90
  text "F12" at 1115,-2655 h38 r90
  text "F13" at 1115,-2770 h38 r90
  text "DOUT1" at 245,-2975 h32
  text "DOUT2" at 510,-2975 h32
  text "DOUT3" at 765,-2975 h32
  text "DOUT4" at 1025,-2975 h32
  text "RST" at 1100,-3145 h38
  text "FPGA3_D" at 390,-3160 h60 r90
  text "FPGA2_D" at 650,-3160 h60 r90
  text "FPGA1_D" at 910,-3165 h60 r90
  text "FPGA4_D" at 135,-3170 h60 r90
  text "SHCP" at 1140,-3240 h38
  text "STCP" at 1140,-3340 h38
  text "OE" at 1065,-3440 h38
  text "DOUT" at 250,-3460 h32 r90
  text "GND" at 1220,-3590 h40 r90
  text "+5V" at 1310,-3590 h40 r90
  text "SCL2" at 1420,-3590 h40 r90
  text "SDA2" at 1520,-3590 h40 r90
  text "RF1" at 3350,-3595 h32
  text "RF3" at 1925,-3600 h32
  text "RF4" at 2380,-3600 h32
  text "RF2" at 2865,-3600 h32
  text "3TO4" at 235,-3695 h32
  text "2TO3" at 500,-3695 h32
  text "1TO2" at 750,-3695 h32
  text "DIN" at 990,-3695 h32
Mechanical 1:
  lines w10: -0.12,-3822.44 ccw(c114.45,-3822.44) 114.45,-3937.01 ; 0,-118.11 cw(c118.11,-118.11) 118.11,0 ; 3818.9,-3937.01 ccw(c3818.9,-3818.9) 3937.01,-3818.9 ; 3818.9,0 cw(c3818.9,-118.11) 3937.01,-118.11
  lines w12: 0,-3822.44 0,-118.11 ; 114.45,-3937.01 3818.9,-3937.01 ; 118.11,0 984.25,0 1004.25,0 3798.9,0 ; 3779.53,0 3818.9,0 ; 3937.01,-3818.9 3937.01,-118.11 ; 3798.9,0 3798.9,0